# Altium PCB fastic-readout.PcbDoc (part 4 of 6) (continued)
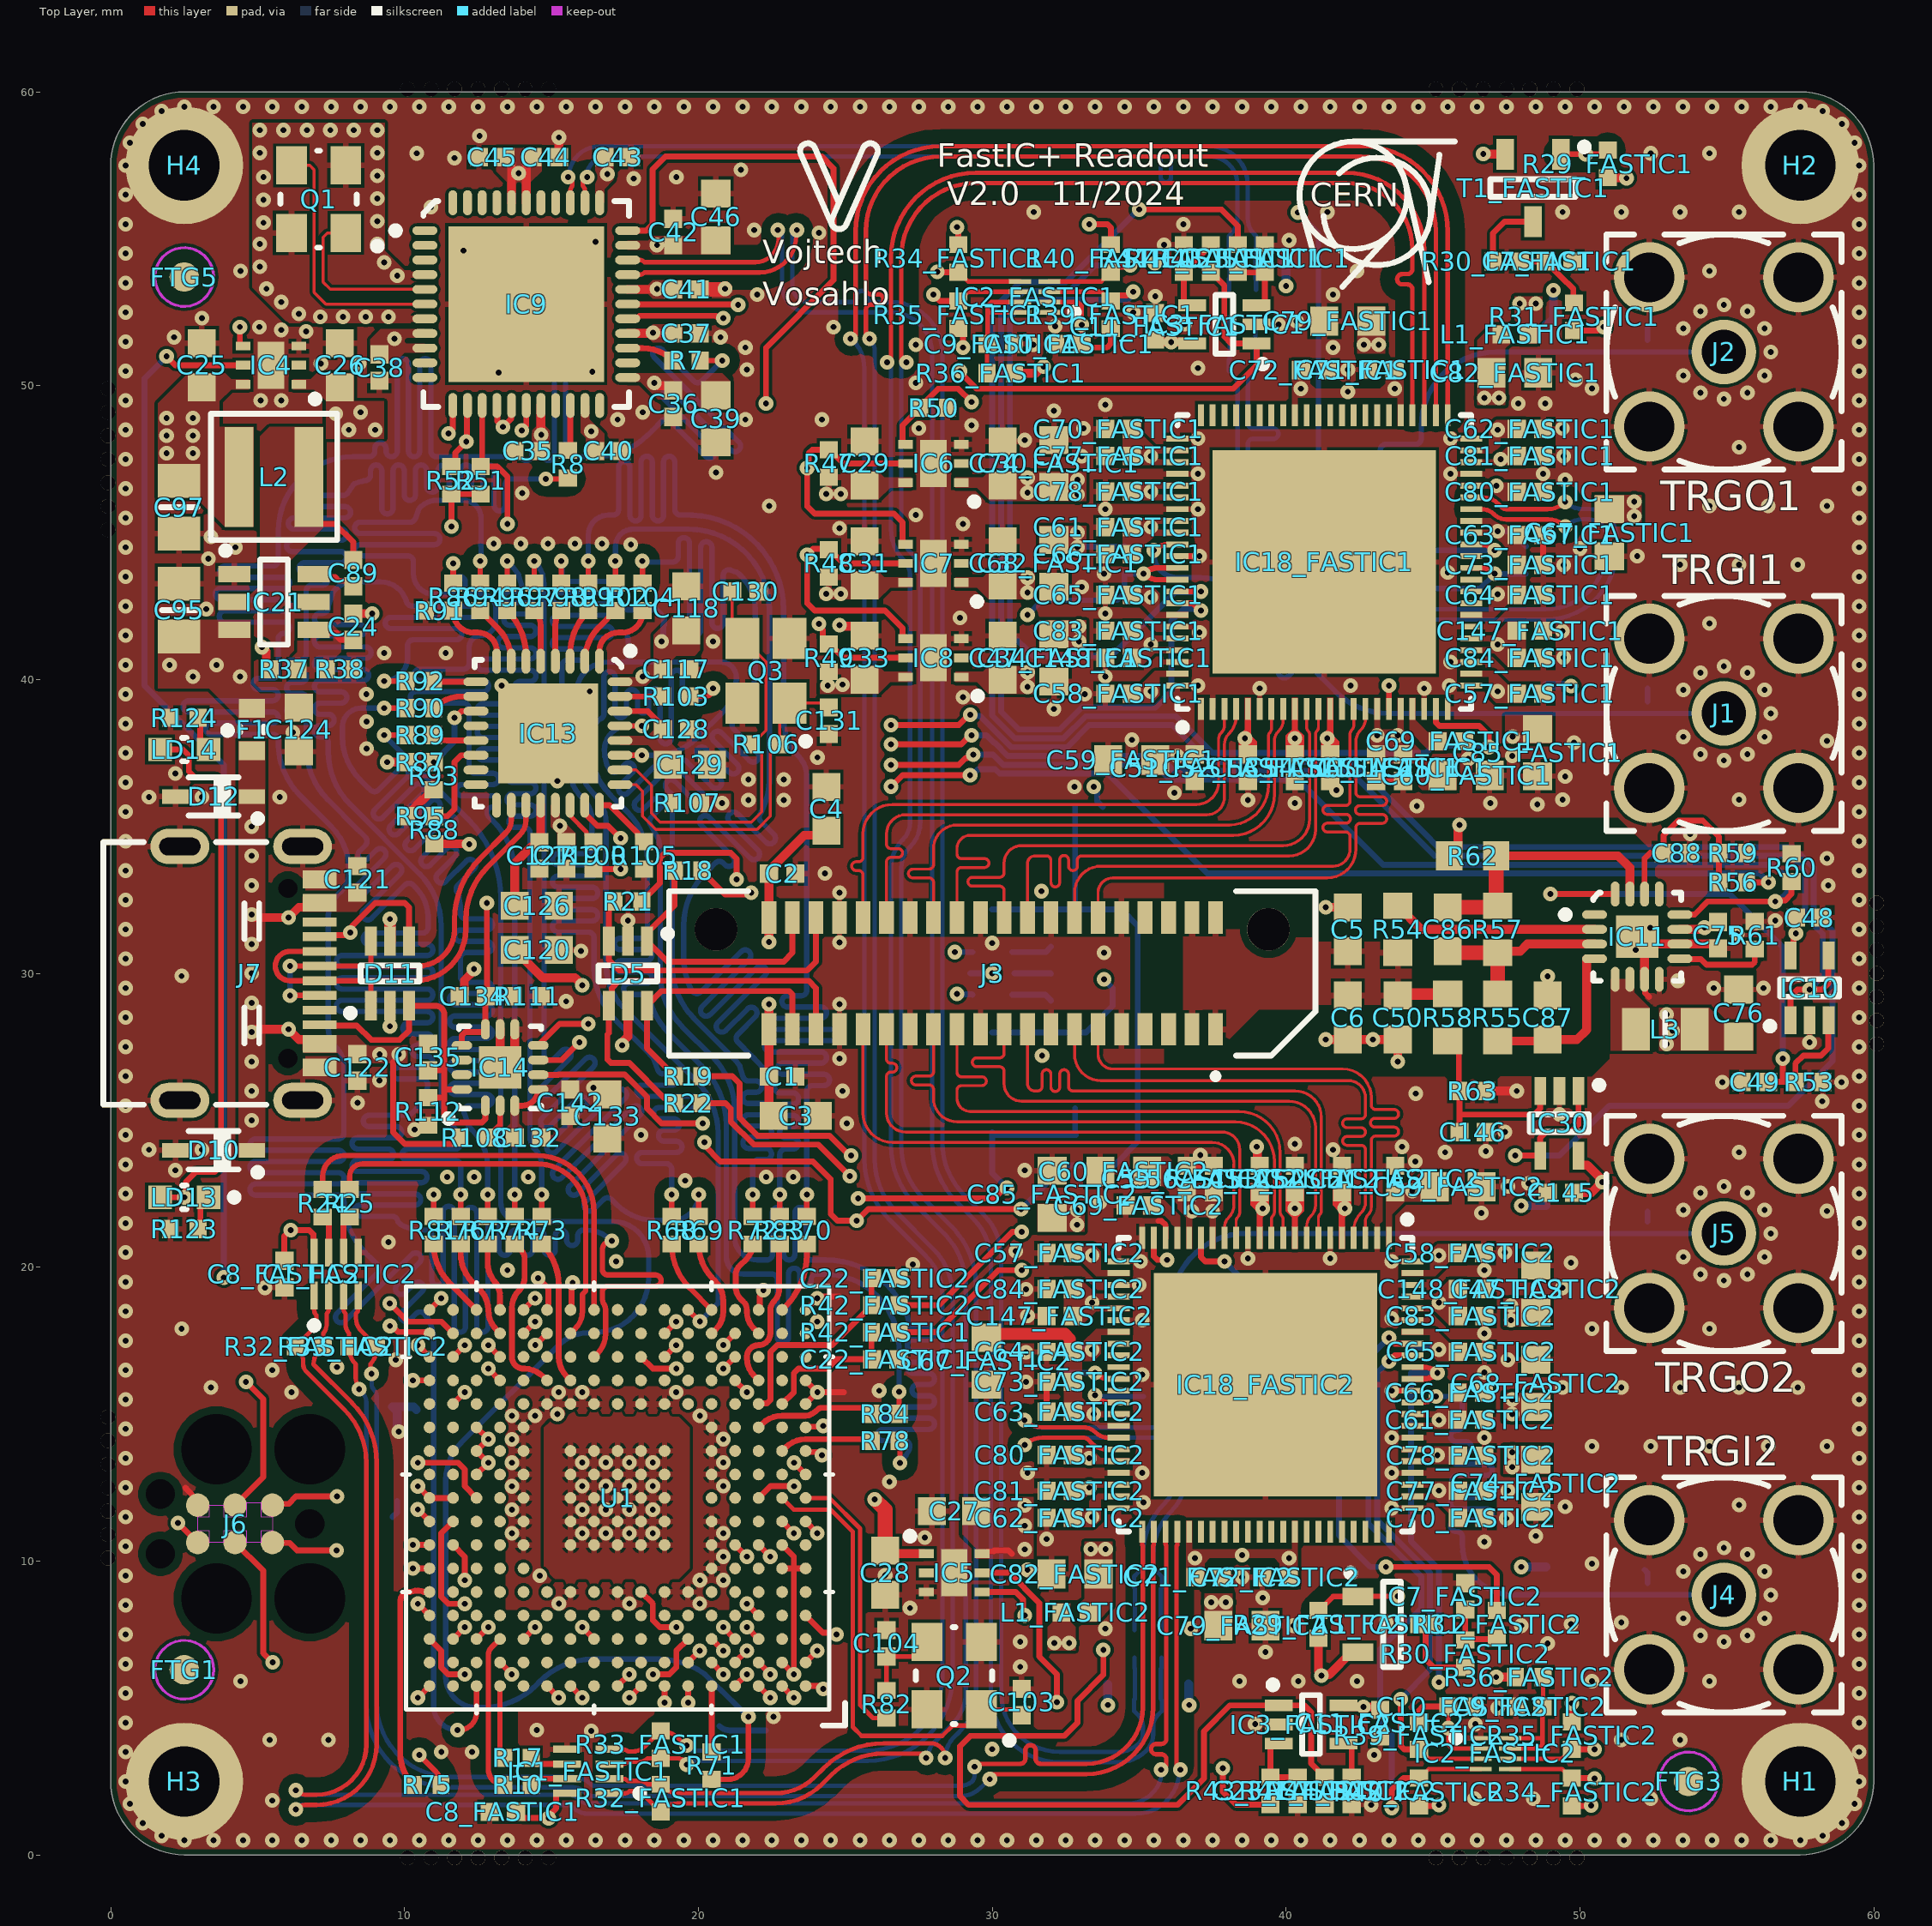
[diagram p0: Top Layer view]
## Nets (pads, with @x,y where several pads share a name; then routed paths per layer and width w, separated by ;. In a path a pad name is that pad's centre, name@x,y a point inside that pad or via, vN(x,y) a via of type N, cw(c..) or ccw(c..) an arc to the next point about the centre after c; other vN are vias at no path point) (continued)
NetR69_2: R69.2 U1.T5 | length 3.4
  Top Layer w0.2: R69.2@20.008,20.788 ccw(c21.687,20.788) 20.499,19.601 20.55,19.55 cw(c19.831,18.831) 20.848,18.831 20.848,18.504 cw(c19.989,18.504) 20.596,17.896 U1.T5@20.448,17.748
NetR70_1: R70.1 U1.U2 | length 2.5
  Top Layer w0.2: U1.U2@22.848,18.548 22.944,18.644 ccw(c21.148,20.44) 23.688,20.44 R70.1@23.688,20.788
NetR71_2: R71.2 U1.A5 | length 2.2
  Top Layer w0.2: R71.2@20.448,3.508 U1.A5@20.448,5.748
NetR72_1: R72.1 U1.T3 | length 3.5
  Top Layer w0.2: R72.1@21.848,20.788 cw(c21.147,20.788) 21.642,20.292 21.4,20.05 ccw(c21.725,19.725) 21.265,19.725 21.265,19.349 ccw(c21.902,19.349) 21.451,18.899 21.47,18.88 cw(c21.248,18.548) 21.648,18.548 21.648,18.495 ccw(c22.487,18.495) 21.893,17.902 U1.T3@22.048,17.748 ; U1.T3@22.048,17.764 U1.T3@22.058,17.764
NetR73_2: R73.2 U1.P11 | length 4.9
  Top Layer w0.2: R73.2@14.668,20.788 cw(c13.267,19.388) 15.248,19.388 15.248,16.948 ccw(c16.213,16.948) U1.P11@15.53,16.266 ; U1.P11@15.53,16.265 U1.P11@15.648,16.148
NetR74_2: R74.2 U1.P12 | length 5.6
  Top Layer w0.2: R74.2@13.748,20.788 13.988,20.548 cw(c13.758,20.317) 14.084,20.317 14.084,19.656 cw(c13.47,19.656) 13.904,19.222 ccw(c14.523,18.603) 13.648,18.603 13.648,16.95 ccw(c14.048,16.948) 14.05,16.548 ccw(c14.048,16.948) 14.074,16.549 cw(c14.086,16.349) 14.094,16.549 cw(c14.05,15.595) 14.725,16.27 U1.P12@14.848,16.148
NetR75_1: R75.1 U1.E17 | length 7.6
  Top Layer w0.2: R75.1@10.296,2.383 cw(c11.374,3.461) 9.85,3.461 9.85,8.624 cw(c10.174,8.624) 10.174,8.948 10.358,8.986 cw(c10.45,8.546) 10.62,8.963 ccw(c10.694,9.148) 10.694,8.948 U1.E17@10.848,8.948
NetR76_2: R76.2 U1.T14 | length 3.5
  Top Layer w0.2: R76.2@11.908,20.788 11.908,20.471 ccw(c13.315,20.471) 12.319,19.477 ; 12.32,19.476 12.565,19.231 cw(c11.882,18.548) 12.848,18.548 ccw(c13.813,18.548) 12.848,18.546 ccw(c13.813,18.548) 13.13,17.865 U1.T14@13.248,17.748
NetR77_2: R77.2 U1.U14 | length 2.3
  Top Layer w0.2: R77.2@12.828,20.788 12.828,20.142 ccw(c13.796,20.142) 12.99,19.606 ccw(c13.796,20.142) 13.111,19.458 cw(c12.398,18.996) 13.248,18.996 U1.U14@13.248,18.548
NetR78_1: R78.1 U1.L2 | length 3.2
  Top Layer w0.2: U1.L2@22.848,13.748 22.961,13.862 cw(c23.653,13.17) 23.641,14.148 cw(c23.648,13.748) 23.647,14.148 23.653,14.148 25.827,14.148 R78.1@25.887,14.088
NetR81_1: R81.1 U1.U15 | length 2.8
  Top Layer w0.2: R81.1@10.988,20.788 ccw(c12.872,20.788) 11.539,19.457 ; 11.54,19.456 U1.U15@12.448,18.548
NetR82_2: R82.2 U1.J1 | length 9.4
  Top Layer w0.15: U1.J1@23.648,12.148 24.456,12.148 25.5,11.104 25.5,5.1 25.94,4.66 R82.2@26.4,4.66
NetR83_1: R83.1 U1.P3 | length 5.5
  Top Layer w0.2: 21.838,17.288 cw(c22.048,16.948) 22.048,17.348 ; U1.P3@22.048,16.148 21.901,16.295 cw(c22.506,16.9) 21.65,16.9 21.65,16.905 ccw(c21.45,16.895) 21.649,16.912 cw(c22.048,16.948) 22.048,17.348 ; 22.564,18.83 ccw(c22.848,18.548) 22.448,18.548 22.448,17.748 cw(c22.048,17.748) 22.188,17.373 cw(c22.048,17.748) 22.048,17.348 ; 22.565,18.831 ccw(c22.123,19.272) 22.748,19.272 R83.1@22.748,20.788
NetR84_1: R84.1 U1.M3 | length 4.1
  Top Layer w0.2: U1.M3@22.048,14.548 22.168,14.668 cw(c22.844,13.992) 22.844,14.948 23.648,14.948 ccw(c23.648,15.348) 23.865,15.012 23.937,15.058 ccw(c23.562,15.638) 24.05,15.15 cw(c24.211,14.989) 24.211,15.217 25.697,15.217 25.887,15.027 R84.1@25.887,15.008
NetU1_A10: U1.A10
NetU1_A13: U1.A13
NetU1_A16: U1.A16
NetU1_B7: U1.B7
NetU1_B8: U1.B8
NetU1_B9: U1.B9
NetU1_B10: U1.B10
NetU1_B11: U1.B11
NetU1_B12: U1.B12
NetU1_B13: U1.B13
NetU1_B15: U1.B15
NetU1_B16: U1.B16
NetU1_B17: U1.B17
NetU1_C1: U1.C1
NetU1_C2: U1.C2
NetU1_C7: U1.C7
NetU1_C8: U1.C8
NetU1_C9: U1.C9
NetU1_C11: U1.C11
NetU1_C12: U1.C12
NetU1_D1: U1.D1 | length 1.3
  Top Layer w0.2: U1.D1@23.648,8.148 24.238,7.557 24.643,7.557 v1(24.7,7.5)
NetU1_D2: U1.D2
NetU1_D4: U1.D4
NetU1_D5: U1.D5
NetU1_D6: U1.D6
NetU1_D7: U1.D7
NetU1_D8: U1.D8
NetU1_D9: U1.D9
NetU1_D10: U1.D10
NetU1_D11: U1.D11
NetU1_D12: U1.D12
NetU1_D13: U1.D13
NetU1_D14: U1.D14
NetU1_D15: U1.D15
NetU1_D16: U1.D16
NetU1_E1: U1.E1
NetU1_E2: U1.E2
NetU1_E3: U1.E3
NetU1_E4: U1.E4
NetU1_E5: U1.E5
NetU1_E10: U1.E10
NetU1_E12: U1.E12
NetU1_E13: U1.E13
NetU1_E14: U1.E14
NetU1_E15: U1.E15
NetU1_E16: U1.E16
NetU1_F3: U1.F3
NetU1_F4: U1.F4
NetU1_F13: U1.F13
NetU1_F14: U1.F14
NetU1_F15: U1.F15
NetU1_F16: U1.F16
NetU1_G1: U1.G1
NetU1_G14: U1.G14
NetU1_G15: U1.G15
NetU1_H3: U1.H3
NetU1_H4: U1.H4
NetU1_H14: U1.H14
NetU1_H15: U1.H15
NetU1_J4: U1.J4
NetU1_J5: U1.J5
NetU1_J14: U1.J14
NetU1_K2: U1.K2
NetU1_K3: U1.K3
NetU1_K4: U1.K4
NetU1_K14: U1.K14
NetU1_K16: U1.K16
NetU1_K17: U1.K17
NetU1_L3: U1.L3
NetU1_L4: U1.L4
NetU1_L14: U1.L14
NetU1_L16: U1.L16
NetU1_L17: U1.L17
NetU1_M2: U1.M2
NetU1_M4: U1.M4
NetU1_M14: U1.M14
NetU1_M16: U1.M16
NetU1_M17: U1.M17
NetU1_N4: U1.N4
NetU1_N5: U1.N5
NetU1_N6: U1.N6
NetU1_N9: U1.N9
NetU1_N13: U1.N13
NetU1_N14: U1.N14
NetU1_N15: U1.N15
NetU1_N17: U1.N17
NetU1_P2: U1.P2
NetU1_P5: U1.P5
NetU1_P6: U1.P6
NetU1_P7: U1.P7
NetU1_P8: U1.P8
NetU1_P9: U1.P9
NetU1_P10: U1.P10
NetU1_P13: U1.P13
NetU1_P15: U1.P15
NetU1_P16: U1.P16
NetU1_R1: U1.R1
NetU1_R2: U1.R2
NetU1_R3: U1.R3
NetU1_R5: U1.R5
NetU1_R6: U1.R6
NetU1_R9: U1.R9
NetU1_R11: U1.R11
NetU1_R12: U1.R12
NetU1_R13: U1.R13
NetU1_R15: U1.R15
NetU1_T1: U1.T1
NetU1_T2: U1.T2
NetU1_T6: U1.T6
NetU1_T8: U1.T8
NetU1_T9: U1.T9
NetU1_T10: U1.T10
NetU1_T15: U1.T15
NetU1_U4: U1.U4
NetU1_U7: U1.U7
NetU1_U8: U1.U8
NetU1_U9: U1.U9
NetU1_U16: U1.U16
PD4: IC18_FASTIC2.78 IC18_FASTIC2.79 R28_FASTIC2.1 U1.A12 | length 50.4
  Top Layer w0.182: IC18_FASTIC2.79@44.3,16.6 44.667,16.6 cw(c44.667,15.917) v1(45.15,16.4)
  Top Layer w0.2: U1.A12@14.848,5.748 v1(15.246,5.35) ; IC18_FASTIC2.78@44.3,16.2 44.667,16.2 ccw(c44.667,16.883) v1(45.15,16.4)
  L05 - Signal w0.2: v1(15.246,5.35) 15.246,3.073 16.121,2.198 25.373,2.198 27.475,4.3 30.049,4.3 32.049,2.3 39.3,2.3 41.24,4.24 44.358,4.24 45.2,5.082 v1(45.2,5.877)
  Bottom Layer w0.2: v1(45.15,16.4) R28_FASTIC2.1@44.25,16.4 44.25,10.674 45.2,9.724 v1(45.2,5.877)
PD5: IC18_FASTIC2.33 R27_FASTIC2.1 U1.A11 | length 38.2
  Top Layer w0.182: v1(33.5,16.4) ccw(c33.983,16.883) 33.983,16.2 IC18_FASTIC2.33@34.3,16.2
  Top Layer w0.2: U1.A11@15.648,5.748 v1(16.046,5.35)
  L05 - Signal w0.2: v1(16.046,5.35) 15.596,4.9 15.596,3.218 16.265,2.548 25.228,2.548 27.33,4.65 31.288,4.65 32.038,3.9 34.1,3.9 34.74,4.54 34.74,10.411 34.2,10.951 34.2,15.7 v1(33.5,16.4)
  Bottom Layer w0.2: R27_FASTIC2.1@32.3,16.4 v1(33.5,16.4)
PE1: IC9.17 U1.B4 | length 69.3
  Top Layer w0.2: v1(13.99,48.48) 14.14,48.63 IC9.17@14.14,49.33 ; U1.B4@21.248,6.548 v1(21.646,6.946)
  L05 - Signal w0.2: v1(13.99,48.48) 13.99,51.09 16.755,53.855 22.245,53.855 23.2,52.9 23.2,52.13 28,47.33 28,39.198 28.3,38.898 28.3,32.975 27.877,32.552 27.877,29.021 28.55,28.348 28.55,17.422 29.15,16.822 29.15,10.04 28.058,8.948 26.998,8.948 26.45,8.4 23.1,8.4 v1(21.646,6.946)
PH11: IC18_FASTIC1.78 IC18_FASTIC1.79 R28_FASTIC1.1 U1.P14 | length 84.5
  Top Layer w0.182: v1(35.15,43.6) ccw(c35.633,44.083) 35.633,43.4 IC18_FASTIC1.79@36.3,43.4
  Top Layer w0.2: v1(12.85,16.546) U1.P14@13.248,16.148 ; v1(35.15,43.6) cw(c35.633,43.117) 35.633,43.8 IC18_FASTIC1.78@36.3,43.8
  L05 - Signal w0.2: v1(12.85,16.546) 13.4,17.096 13.4,17.625 12.925,18.1 12.925,20.956 13.505,21.537 14.931,21.537 15.654,22.26 15.654,22.891 11.9,26.645 11.9,28.878 13.65,30.628 13.65,35.643 12.8,36.493 12.8,41.1 10.2,43.7 10.2,50.305 16.045,56.15 21.053,56.15 21.403,56.5 29.294,56.5 30.5,55.294 30.5,42.9 v1(31.2,42.2)
  Bottom Layer w0.182: v1(31.2,42.2) 31.7,42.7 34.25,42.7 34.5,42.95 R28_FASTIC1.1@34.5,43.6 v1(35.15,43.6)
PH12: IC18_FASTIC1.33 R27_FASTIC1.1 U1.R14 | length 93.4
  Top Layer w0.182: IC18_FASTIC1.33@46.3,43.8 46.617,43.8 cw(c46.617,43.117) v1(47.1,43.6)
  Top Layer w0.2: v1(12.85,17.346) U1.R14@13.248,16.948
  L05 - Signal w0.2: v1(12.85,17.346) 12.575,17.621 12.575,21.101 13.36,21.887 14.782,21.887 14.877,21.981 14.88,21.981 15.304,22.405 15.304,22.746 11.55,26.5 11.55,30.11 13.3,31.86 13.3,35.498 12.45,36.348 12.45,40.955 9.85,43.555 9.85,50.45 15.9,56.5 20.908,56.5 21.258,56.85 39.45,56.85 v1(40.4,55.9)
  Bottom Layer w0.182: v1(40.4,55.9) 41.1,55.2 41.1,44.5 42.5,43.1 46.6,43.1 v1(47.1,43.6) R27_FASTIC1.1@48.16,43.6
PI4: IC9.12 U1.A4 | length 74.8
  Top Layer w0.2: v1(11.49,48.38) 11.64,48.53 IC9.12@11.64,49.33 ; U1.A4@21.248,5.748 v1(21.646,6.146)
  L05 - Signal w0.2: v1(11.49,48.38) 11.49,49.654 16.041,54.205 25.645,54.205 28.034,51.816 28.034,48.122 28.35,47.806 28.35,39.343 28.65,39.043 28.65,32.831 28.227,32.407 28.227,29.166 28.9,28.493 28.9,17.567 29.5,16.967 29.5,9.895 27.355,7.75 25.188,7.75 24.888,8.05 23.55,8.05 v1(21.646,6.146)
RSTn: C92.1 J6.3 PB1.2 R79.1 U1.K1 | length 72.1
  Top Layer w0.2: J6.3@4.23,11.9 5.184,12.854 5.184,15.516 v1(4.6,16.1) ; v1(20.2,24.25) 20.2,24.15 20.75,23.6 23.9,23.6 24.5,23 24.5,21.821 24.732,21.589 v1(25.389,21.589) 25.783,21.983 v1(30.983,21.983) ; v1(23.25,13.346) U1.K1@23.648,12.948
  L04- Signal w0.2: v1(4.6,16.1) 4.6,21.85 6.55,23.8 19.75,23.8 v1(20.2,24.25)
  L05 - Signal w0.2: v1(23.25,13.346) 23.696,12.9 24.635,12.9 24.926,13.19 24.926,21.126 v1(25.389,21.589)
  Bottom Layer w0.2: PB1.2@29.989,32.176 32.8,32.176 ; v1(30.983,21.983) 32.462,23.462 34.15,23.462 34.95,24.262 34.95,31.625 34.399,32.176 32.8,32.176 ; R79.1@32.82,35.666 32.82,32.196 32.8,32.176
SLVS2_N: IC18_FASTIC2.39 R4.2 R5.2 R128.2 | length 15.2
  Top Layer w0.15: v1(31.1,13.95) cw(c31.704,13.346) 31.704,14.2 33.1,14.2 cw(c33.1,13.959) 33.271,14.129 33.4,14 ; 33.4,14 ccw(c33.883,14.483) 33.883,13.8 IC18_FASTIC2.39@34.3,13.8
  Bottom Layer w0.15: v1(31.1,13.95) cw(c31.692,13.358) 31.692,14.195 35.505,14.195 cw(c35.505,13.45) 36.25,13.45 36.25,12.916 cw(c34.884,12.916) 35.85,11.95 ccw(c37.6,10.2) 35.125,10.2 35.125,10.001 cw(c34.57,10.001) 34.963,9.609 R128.2@34.83,9.476 34.83,9.134 ccw(c34.932,9.134) 34.86,9.061 R5.2@34.86,8.556 34.86,8.069 cw(c34.792,8.069) 34.84,8.021 R4.2@34.84,7.656
SLVS2_P: IC18_FASTIC2.38 R3.2 R6.2 R128.1 | length 15.8
  Top Layer w0.15: v1(31.097,14.79) ccw(c31.678,15.371) 31.678,14.55 33.1,14.55 cw(c33.1,13.959) 33.518,14.377 ccw(c33.945,14.804) 33.519,14.376 ccw(c33.945,14.804) 33.945,14.2 IC18_FASTIC2.38@34.3,14.2
  Bottom Layer w0.15: v1(31.097,14.79) ccw(c31.689,15.382) 31.689,14.545 35.505,14.545 cw(c35.505,13.45) 36.6,13.45 36.6,12.916 cw(c34.884,12.916) 36.097,11.703 ccw(c37.6,10.2) 35.475,10.2 35.475,10.001 ccw(c36.03,10.001) 35.638,9.609 R128.1@35.77,9.476 35.77,9.134 cw(c35.668,9.134) 35.74,9.061 R6.2@35.74,8.556 35.74,8.069 ccw(c35.808,8.069) 35.76,8.021 R3.2@35.76,7.656
SLVS3_N: IC18_FASTIC1.39 R14.2 R15.2 R101.2 | length 29.6
  Top Layer w0.15: IC18_FASTIC1.39@46.3,46.2 46.717,46.2 cw(c46.717,45.517) 47.2,46 ; 47.2,46 47.329,45.871 ccw(c47.5,46.041) 47.5,45.8 48.896,45.8 ccw(c48.896,46.654) v1(49.5,46.05)
  Bottom Layer w0.15: R14.2@38.059,52.33 38.059,51.965 cw(c38.059,51.945) 38.079,51.945 R15.2@38.079,51.43 38.079,50.895 ccw(c38.079,50.865) 38.049,50.865 R101.2@38.049,50.51 38.202,50.358 cw(c37.844,50) 38.35,50 38.35,44.89 ccw(c38.7,44.89) 38.35,44.889 ccw(c38.7,44.89) 38.35,44.879 ccw(c41.267,44.961) 39.102,43.004 ccw(c39.231,43.122) 39.103,43.003 ccw(c39.472,43.341) 39.11,42.996 39.192,42.91 39.193,42.909 cw(c39.082,42.808) 39.194,42.907 39.198,42.904 ccw(c41.19,44.78) 41.19,42.043 41.195,42.043 cw(c41.206,41.894) 41.207,42.044 41.262,42.043 ccw(c41.268,42.543) 41.268,42.043 48.836,42.043 ccw(c48.834,44.466) 50.547,42.753 ccw(c48.851,44.449) 51.25,44.449 51.25,44.855 ccw(c50.3,44.855) 50.3,45.805 50.092,45.805 cw(c50.092,46.642) v1(49.5,46.05)
SLVS3_P: IC18_FASTIC1.38 R13.2 R16.2 R101.1 | length 29.7
  Top Layer w0.15: IC18_FASTIC1.38@46.3,45.8 46.655,45.8 cw(c46.655,45.196) 47.081,45.624 cw(c46.655,45.196) 47.082,45.623 ccw(c47.5,46.041) 47.5,45.45 48.922,45.45 cw(c48.922,44.629) v1(49.503,45.21)
  Bottom Layer w0.15: R101.1@38.856,50.376 ccw(c39.232,50) 38.7,50 38.7,49.117 38.7,48.717 ccw(c38.875,48.717) 38.875,48.542 39.563,48.542 cw(c39.563,48.367) 39.738,48.367 cw(c39.563,48.367) 39.563,48.192 38.875,48.192 ccw(c38.875,48.017) 38.7,48.017 38.7,47.592 38.7,44.89 ccw(c41.267,44.961) 39.361,43.24 ccw(c39.472,43.341) 39.363,43.238 39.445,43.151 39.453,43.144 ccw(c41.267,44.961) 41.199,42.394 41.212,42.394 41.266,42.393 ccw(c41.268,42.543) 41.268,42.393 48.835,42.393 ; R101.1@38.856,50.376 R101.1@38.989,50.51 38.989,50.865 ccw(c38.959,50.865) 38.959,50.895 R16.2@38.959,51.43 38.959,51.945 cw(c38.979,51.945) 38.979,51.965 R13.2@38.979,52.33 ; 48.836,42.393 ccw(c48.834,44.466) 50.3,43 ccw(c48.851,44.449) 50.9,44.449 50.9,44.855 ccw(c50.3,44.855) 50.3,45.455 50.094,45.455 ccw(c50.094,44.618) v1(49.503,45.21)
SWCLK: J6.4 U1.B14 | length 14.6
  Top Layer w0.2: J6.4@4.23,10.63 5.187,9.673 5.187,6.868 v1(5.505,6.55) ; U1.B14@13.248,6.548 v1(13.646,6.15)
  L04- Signal w0.2: v1(5.505,6.55) 7.281,4.774 12.27,4.774 v1(13.646,6.15)
SWDIO: J6.2 U1.C15 | length 10.7
  Top Layer w0.2: J6.2@5.5,10.63 5.51,10.62 6.08,10.62 6.335,10.365 v1(7.688,10.365) ; U1.C15@12.448,7.348 v1(12.846,7.746)
  L04- Signal w0.2: v1(7.688,10.365) 7.745,10.307 8.176,10.307 8.5,9.983 8.5,8.1 9.5,7.1 12.2,7.1 v1(12.846,7.746)
SWO: J6.6 U1.C6 | length 24.9
  Top Layer w0.2: v1(2.29,11.3) J6.6@2.96,10.63 ; v1@18.448,6.148 19.013,6.148 19.248,6.382 19.248,6.948 U1.C6@19.648,7.348
  L04- Signal w0.2: v1(2.29,11.3) 2.941,10.649 2.941,10.28 1.8,9.139 1.8,7.6 2.5,6.9 4.3,6.9 4.6,7.2 5.9,7.2 6.352,6.748 17.848,6.748 v1(18.45,6.146)
TDC_FASTIC1_N: IC1_FASTIC1.1 IC18_FASTIC1.47 R32_FASTIC1.2 | length 91.3
  Top Layer w0.15: IC1_FASTIC1.1@17.103,2.093 17.472,2.093 ccw(c17.472,2.349) 17.653,2.168 17.753,2.168 cw(c17.753,1.552) 18.188,1.988 R32_FASTIC1.2@18.713,1.463 18.797,1.547 cw(c19.284,1.061) 19.284,1.749 22.628,1.749 ccw(c22.628,3.972) 24.2,2.4 24.506,2.706 cw(c26.302,0.91) 26.302,3.45 27.65,3.45 cw(c27.65,3.3) v1@27.8,3.3 ; v1@26.55,50.826 26.55,54.36 cw(c29.44,54.36) 29.44,57.25 42.05,57.25 cw(c42.05,54.6) 44.7,54.6 IC18_FASTIC1.47@44.7,49
  Bottom Layer w0.15: v1(26.425,50.8) cw(c26.425,50.675) 26.55,50.675 26.55,45.132 ccw(c28.086,45.132) 27,44.045 cw(c26.517,43.562) 27.2,43.562 27.2,35.145 cw(c26.355,35.145) 26.953,34.547 ccw(c27.924,33.576) 26.55,33.576 26.55,24.152 ccw(c29.44,24.152) 27.396,22.109 28.356,21.149 cw(c26.56,19.353) 29.1,19.353 29.1,5.552 cw(c27.526,5.552) 28.639,4.439 28.012,3.812 ccw(c28.524,3.3) v1@27.8,3.301
  other v1: 27.75,3.3
TDC_FASTIC1_P: IC1_FASTIC1.2 IC18_FASTIC1.48 R32_FASTIC1.1 | length 91.3
  Top Layer w0.15: IC1_FASTIC1.2@17.103,2.593 17.422,2.593 cw(c17.422,2.337) 17.603,2.518 17.99,2.518 cw(c17.99,2.125) 18.268,2.403 R32_FASTIC1.1@18.713,2.403 18.828,2.288 ccw(c19.284,2.745) 19.284,2.099 22.628,2.099 ccw(c22.628,3.972) 23.953,2.647 24.259,2.954 cw(c26.302,0.91) 26.302,3.8 27.9,3.8 cw(c27.9,3.3) v1(28.4,3.3) ; v1@26.9,50.826 26.9,54.36 cw(c29.44,54.36) 29.44,56.9 42.05,56.9 cw(c42.05,54.65) 44.3,54.65 44.3,54.4 44.3,53.975 cw(c44.125,53.975) 44.125,53.8 43.954,53.8 ccw(c43.954,53.625) 43.779,53.625 ccw(c43.954,53.625) 43.954,53.45 44.125,53.45 cw(c44.125,53.275) 44.3,53.275 44.3,52.949 IC18_FASTIC1.48@44.3,49
  Bottom Layer w0.15: v1@27.025,50.8 ccw(c27.025,50.675) 26.9,50.675 26.9,45.132 ccw(c28.086,45.132) 27.247,44.293 cw(c26.517,43.562) 27.55,43.562 27.55,35.145 cw(c26.355,35.145) 27.2,34.3 ccw(c27.924,33.576) 26.9,33.576 26.9,24.152 ccw(c29.44,24.152) 27.644,22.356 28.604,21.396 cw(c26.56,19.353) 29.45,19.353 29.45,5.552 cw(c27.526,5.552) 28.886,4.191 28.686,3.991 ccw(c29.378,3.3) 28.4,3.305 ccw(c29.378,3.3) v1(28.4,3.3)
  other v1: 27.075,50.8
TDC_FASTIC2_N: IC1_FASTIC2.1 IC18_FASTIC2.47 R32_FASTIC2.2 | length 58.7
  Top Layer w0.15: v1@6.3,2.175 ccw(c6.602,2.477) 6.602,2.05 7,2.05 ccw(c7,3.748) 8.698,3.748 8.698,13.35 ccw(c6.158,13.35) 7.954,15.146 6.656,16.444 cw(c6.912,16.7) 6.55,16.7 6.55,16.783 ccw(c5.914,16.783) 6.364,17.233 R32_FASTIC2.2@6.289,17.308 6.813,17.833 ccw(c6.378,18.268) 6.994,18.268 6.994,18.368 cw(c7.175,18.549) 6.919,18.549 IC1_FASTIC2.1@6.919,18.918 ; IC18_FASTIC2.47@35.9,11 35.9,10.585 ccw(c35.985,10.585) 35.925,10.525 35.925,4.469 35.925,3.95 cw(c35.75,3.95) 35.75,3.775 35.58,3.775 ccw(c35.58,3.6) 35.405,3.6 ccw(c35.58,3.6) 35.58,3.425 35.75,3.425 cw(c35.75,3.25) 35.925,3.25 35.925,3.175 v1@35.925,3.026
  Bottom Layer w0.15: v1@6.3,2.175 6.372,2.103 ccw(c6.5,2.231) 6.5,2.05 15.519,2.05 cw(c15.519,1.373) 15.997,1.852 ccw(c16.243,2.097) 16.243,1.75 34.625,1.75 ccw(c34.625,2.9) 35.4,2.05 ccw(c34.625,2.9) v1@35.775,2.9
  other v1: 6.3,2.2 35.75,2.9
TDC_FASTIC2_P: IC1_FASTIC2.2 IC18_FASTIC2.48 R32_FASTIC2.1 | length 59.1
  Top Layer w0.15: v1@6.3,1.575 cw(c6.602,1.273) 6.602,1.7 7,1.7 ccw(c7,3.748) 9.048,3.748 9.048,13.35 ccw(c6.158,13.35) 8.201,15.394 6.9,16.695 6.9,16.7 cw(c7.574,16.7) 7.097,17.176 R32_FASTIC2.1@7.229,17.308 7.229,17.753 ccw(c6.951,18.03) 7.344,18.03 7.344,18.418 ccw(c7.163,18.599) 7.419,18.599 IC1_FASTIC2.2@7.419,18.918 ; v1@36.275,3.026 36.275,10.525 ccw(c36.215,10.585) 36.3,10.585 IC18_FASTIC2.48@36.3,11
  Bottom Layer w0.15: v1@6.3,1.575 6.372,1.647 cw(c6.5,1.519) 6.5,1.7 15.519,1.7 cw(c15.519,1.373) 15.75,1.604 ccw(c16.243,2.097) 16.243,1.4 34.875,1.4 ccw(c34.875,2.9) 35.776,1.701 ccw(c34.875,2.9) 36.25,2.301 ccw(c34.875,2.9) v1@36.375,2.9
  other v1: 6.3,1.55 36.4,2.9
TIME_FASTIC1_N: IC1_FASTIC1.4 IC18_FASTIC1.45 R33_FASTIC1.2 | length 93.3
  Top Layer w0.15: IC1_FASTIC1.4@17.103,3.593 17.422,3.593 cw(c17.422,3.337) 17.603,3.518 17.753,3.518 ccw(c17.753,4.134) 18.188,3.698 R33_FASTIC1.2@18.713,4.223 cw(c18.713,3.404) 19.292,3.983 v1@19.6,3.675 ; v1@25.225,51.6 ccw(c25.225,51.725) 25.35,51.725 25.35,55.26 cw(c28.24,55.26) 28.24,58.15 42.61,58.15 cw(c42.61,55.26) 45.5,55.26 IC18_FASTIC1.45@45.5,49
  Bottom Layer w0.15: v1@19.6,3.675 ccw(c19.902,3.977) 19.902,3.55 25.76,3.55 ccw(c25.76,6.09) 28.3,6.09 28.3,19.048 ccw(c26.431,19.048) 27.753,20.369 26.496,21.625 cw(c28.54,23.669) 25.65,23.669 25.65,50.574 ccw(c24.199,50.574) 25.225,51.6 cw(c25.225,51.475) v1@25.35,51.475
  other v1: 19.6,3.725 25.175,51.6
TIME_FASTIC1_P: IC1_FASTIC1.3 IC18_FASTIC1.46 R33_FASTIC1.1 | length 93.2
  Top Layer w0.15: IC1_FASTIC1.3@17.103,3.093 17.422,3.093 ccw(c17.422,3.349) 17.603,3.168 17.99,3.168 ccw(c17.99,3.561) 18.268,3.283 R33_FASTIC1.1@18.713,3.283 19.269,3.283 cw(c19.269,2.744) v1@19.65,3.125 ; v1(25.825,51.6) cw(c25.825,51.725) 25.7,51.725 25.7,52.162 25.7,52.587 cw(c25.875,52.587) 25.875,52.762 26.125,52.762 ccw(c26.125,52.937) 26.3,52.937 ccw(c26.125,52.937) 26.125,53.112 25.875,53.112 cw(c25.875,53.287) 25.7,53.287 25.7,53.669 25.7,55.26 cw(c28.24,55.26) 28.24,57.8 42.56,57.8 cw(c42.56,55.26) 45.1,55.26 IC18_FASTIC1.46@45.1,49
  Bottom Layer w0.15: v1(19.6,3.075) cw(c19.902,2.773) 19.902,3.2 25.76,3.2 ccw(c25.76,6.09) 28.65,6.09 28.65,19.048 ccw(c26.431,19.048) 28,20.617 26.744,21.873 cw(c28.54,23.669) 26.742,21.874 cw(c28.54,23.669) 26,23.669 26,51.178 ccw(c25.402,51.178) v1(25.825,51.6) ccw(c25.825,51.475) v1@25.7,51.475
TIME_FASTIC2_N: IC1_FASTIC2.4 IC18_FASTIC2.45 R33_FASTIC2.2 | length 50.4
  Top Layer w0.15: IC1_FASTIC2.4@8.419,18.918 8.419,18.599 cw(c8.163,18.599) 8.344,18.418 8.344,18.268 ccw(c8.959,18.268) 8.524,17.833 R33_FASTIC2.2@9.049,17.308 9.049,17.224 cw(c8.321,17.224) 8.836,16.71 8.836,16.468 ccw(c8.968,16.468) v1(8.874,16.374) ; v1(29.4,3) 29.5,3.1 30.876,3.1 30.951,3.1 ccw(c30.951,3.275) 31.126,3.275 31.126,3.559 cw(c31.301,3.559) 31.301,3.734 cw(c31.301,3.559) 31.476,3.559 31.476,3.275 ccw(c31.651,3.275) 31.651,3.1 32.1,3.1 33.2,3.1 ccw(c33.2,5.025) 35.125,5.025 35.125,10.525 cw(c35.185,10.585) 35.1,10.585 IC18_FASTIC2.45@35.1,11
  Bottom Layer w0.15: v1(8.874,16.374) 8.88,16.368 8.88,16.017 ccw(c9.166,16.017) 8.964,15.816 cw(c8.762,15.614) 9.048,15.614 9.048,5.19 ccw(c11.588,5.19) 11.587,2.65 15.738,2.65 cw(c15.738,1.788) 16.347,2.397 cw(c16.1,2.15) 16.349,2.396 16.351,2.394 ccw(c16.457,2.5) 16.457,2.35 28.914,2.35 ccw(c28.912,2.983) 29.301,2.484 ccw(c29.208,2.601) 29.331,2.515 ccw(c29.015,2.735) 29.4,2.735 v1(29.4,3) v1@29.297,2.897
TIME_FASTIC2_P: IC1_FASTIC2.3 IC18_FASTIC2.46 R33_FASTIC2.1 | length 50.1
  Top Layer w0.15: IC1_FASTIC2.3@7.919,18.918 7.919,18.599 ccw(c8.175,18.599) 7.994,18.418 7.994,18.03 ccw(c8.386,18.03) 8.109,17.753 R33_FASTIC2.1@8.109,17.308 8.109,17.244 ccw(c8.883,17.244) 8.336,16.696 8.336,16.226 ccw(c8.726,16.226) v1@8.45,15.95 ; v1@29.824,2.576 29.999,2.75 33.2,2.75 ccw(c33.2,5.025) 35.475,5.025 35.475,10.525 ccw(c35.415,10.585) 35.5,10.585 IC18_FASTIC2.46@35.5,11
  Bottom Layer w0.15: v1(8.45,15.85) ccw(c8.487,15.85) 8.461,15.824 8.574,15.711 cw(c8.275,15.412) 8.698,15.412 8.698,5.119 ccw(c11.517,5.119) 11.516,2.3 15.738,2.3 cw(c15.738,1.788) 16.1,2.15 ccw(c16.347,2.397) 16.101,2.149 16.104,2.146 ccw(c16.457,2.5) 16.457,2 28.912,2 ccw(c28.912,2.983) 29.607,2.288 29.881,2.562 cw(c29.914,2.529) v1(29.914,2.576) ; v1@8.45,15.95 v1@8.5,15.9
ULPI_CLK: R72.2 R104.2 | length 56.2
  Top Layer w0.182: R104.2@18.094,43.286 v1(18.094,44.036) ; R72.2@21.848,21.728 v1(21.848,22.478)
  Bottom Layer w0.182: v1(18.094,44.036) ccw(c18.13,44.036) 18.13,44 19.031,44 19.122,44 ccw(c19.122,44.191) 19.313,44.191 19.313,44.637 cw(c19.504,44.637) 19.695,44.637 19.695,41.691 ccw(c19.886,41.691) 20.077,41.691 20.077,44.501 cw(c20.268,44.501) 20.459,44.501 20.459,41.932 ccw(c20.65,41.932) 20.841,41.932 20.841,43.545 cw(c21.032,43.545) 21.094,43.726 21.309,43.652 cw(c20.3,42.364) 21.4,43.575 cw(c20.3,42.364) 21.936,42.364 21.936,40.37 cw(c19.396,40.37) 21.617,39.138 cw(c19.396,40.37) 21.57,39.056 21.192,38.574 21.186,38.566 ccw(c21.337,38.449) 21.202,38.313 22.001,37.514 cw(c21.866,37.379) 22.001,37.244 cw(c21.866,37.379) 21.731,37.244 20.79,38.185 ccw(c20.655,38.05) 20.52,38.185 ccw(c20.655,38.05) 20.52,37.914 21.32,37.114 cw(c21.185,36.979) 21.32,36.844 cw(c21.185,36.979) 21.05,36.844 20.25,37.645 ccw(c20.114,37.51) 19.979,37.645 ccw(c20.114,37.51) 19.979,37.375 20.73,36.624 cw(c20.595,36.489) 20.73,36.354 cw(c20.595,36.489) 20.46,36.354 19.604,37.21 ccw(c19.469,37.075) 19.334,37.21 ccw(c19.469,37.075) 19.334,36.94 20.224,36.05 cw(c20.089,35.915) 20.224,35.78 cw(c20.089,35.915) 19.954,35.78 19.201,36.533 ccw(c19.066,36.397) 18.931,36.533 ccw(c19.066,36.397) 18.931,36.262 19.125,36.068 cw(c18.99,35.933) 19.161,35.848 19.133,35.79 ccw(c21.648,35.438) 19.119,35.675 ccw(c21.648,35.438) 19.108,35.438 19.108,30.262 ccw(c21.648,30.262) 19.852,28.466 21.104,27.215 cw(c19.308,25.419) 21.341,26.941 cw(c19.308,25.419) 21.406,26.85 21.522,26.473 ccw(c21.705,26.529) 21.705,26.338 21.965,26.338 cw(c21.965,26.147) 21.965,25.956 21.701,25.956 ccw(c21.701,25.765) 21.701,25.574 22.252,25.574 cw(c22.252,25.383) 22.252,25.192 21.705,25.192 ccw(c21.705,25.001) 21.705,24.81 22.295,24.81 cw(c22.295,24.619) 22.295,24.428 21.705,24.428 ccw(c21.705,24.237) 21.705,24.046 22.295,24.046 cw(c22.295,23.855) 22.295,23.664 22.039,23.664 ccw(c22.039,23.473) 21.848,23.473 21.848,23 v1(21.848,22.478)
ULPI_D0: R70.2 R99.2 | length 57.5
  Top Layer w0.182: R99.2@16.254,43.286 v1(16.254,44.036) ; R70.2@23.688,21.728 v1(23.688,22.478)
  Bottom Layer w0.182: v1(16.254,44.036) 16.254,44.917 cw(c16.936,44.917) 16.936,45.6 17.002,45.6 17.093,45.6 ccw(c17.093,45.791) 17.284,45.791 17.284,47.225 cw(c17.475,47.225) 17.666,47.225 17.666,45.591 ccw(c17.857,45.591) 18.048,45.591 18.048,47.409 cw(c18.239,47.409) 18.43,47.409 18.43,45.591 ccw(c18.621,45.591) 18.812,45.591 18.812,47.409 cw(c19.003,47.409) 19.194,47.409 19.194,45.791 ccw(c19.385,45.791) 19.385,45.6 19.664,45.6 19.709,45.6 cw(c19.664,42.364) 19.8,45.597 cw(c19.664,42.364) 22.9,42.364 22.9,38.607 ccw(c24.607,38.607) 23.4,37.4 cw(c22.706,36.706) 23.688,36.706 23.688,29.972 23.688,29.43 cw(c23.497,29.43) 23.497,29.239 23.032,29.239 ccw(c23.032,29.048) 23.032,28.857 24.168,28.857 cw(c24.168,28.666) 24.168,28.475 22.446,28.475 ccw(c22.446,28.284) 22.446,28.093 24.741,28.093 cw(c24.741,27.902) 24.741,27.711 22.446,27.711 ccw(c22.446,27.52) 22.446,27.329 24.168,27.329 cw(c24.168,27.138) 24.168,26.947 22.878,26.947 ccw(c22.878,26.756) 22.878,26.565 24.269,26.565 cw(c24.269,26.374) 24.269,26.183 23.879,26.183 ccw(c23.879,25.992) 23.688,25.992 23.688,25.519 v1(23.688,22.478)
ULPI_D1: R68.1 R98.2 | length 57.3
  Top Layer w0.182: R98.2@15.334,43.286 v1(15.334,44.036) ; R68.1@19.088,21.728 v1(19.088,22.478)
  Bottom Layer w0.182: v1(15.334,44.036) cw(c15.285,43.987) 15.354,43.987 15.354,43.841 15.354,43.529 ccw(c15.545,43.529) 15.545,43.338 17.163,43.338 cw(c17.163,43.147) 17.163,42.956 15.223,42.956 ccw(c15.223,42.765) 15.223,42.574 16.885,42.574 cw(c16.885,42.383) 16.885,42.192 15.223,42.192 ccw(c15.223,42.001) 15.223,41.81 16.885,41.81 cw(c16.885,41.619) 16.885,41.428 15.223,41.428 ccw(c15.223,41.237) 15.223,41.046 15.977,41.046 cw(c15.977,40.855) 15.977,40.664 15.545,40.664 ccw(c15.545,40.473) 15.354,40.473 15.354,40 15.354,38.832 ccw(c15.682,38.832) 15.45,38.6 cw(c15.209,38.359) 15.55,38.359 15.55,37.225 ccw(c17.421,37.225) 16.098,35.902 16.1,35.9 cw(c15.446,35.246) 16.371,35.246 16.371,34.318 cw(c16.186,34.269) 16.186,34.078 15.223,34.078 ccw(c15.223,33.887) 15.223,33.696 16.384,33.696 cw(c16.384,33.505) 16.384,33.314 15.223,33.314 ccw(c15.223,33.123) 15.223,32.932 16.384,32.932 cw(c16.384,32.741) 16.384,32.55 15.223,32.55 ccw(c15.223,32.359) 15.223,32.168 16.384,32.168 cw(c16.384,31.977) 16.384,31.786 15.223,31.786 ccw(c15.223,31.595) 15.223,31.404 16.259,31.404 cw(c16.259,31.213) 16.45,31.213 16.45,31.122 16.45,30.194 ccw(c18.99,30.194) 17.194,28.398 18.344,27.248 cw(c16.548,25.452) 18.347,27.245 cw(c16.548,25.452) 18.39,27.2 cw(c16.548,25.452) 18.473,27.109 18.623,26.705 ccw(c18.802,26.771) 18.802,26.58 19.103,26.58 cw(c19.103,26.389) 19.103,26.198 18.087,26.198 ccw(c18.087,26.007) 18.087,25.816 19.806,25.816 cw(c19.806,25.625) 19.806,25.434 18.662,25.434 ccw(c18.662,25.243) 18.662,25.052 19.168,25.052 cw(c19.168,24.861) 19.168,24.67 18.832,24.67 ccw(c18.832,24.479) 18.832,24.288 19.247,24.288 cw(c19.247,24.097) 19.247,23.906 18.087,23.906 ccw(c18.087,23.715) 18.087,23.524 18.897,23.524 cw(c18.897,23.333) 19.088,23.333 v1(19.088,22.478)
ULPI_D2: R69.1 R97.2 | length 56.3
  Top Layer w0.182: R97.2@14.414,43.286 v1(14.414,44.036) ; R69.1@20.008,21.728 v1(20.008,22.478)
  Bottom Layer w0.182: v1(14.414,44.036) cw(c13.602,43.224) 14.75,43.224 14.75,27.776 14.75,27.228 ccw(c14.941,27.228) 15.076,27.093 15.345,27.361 cw(c15.48,27.226) 15.615,27.361 cw(c15.48,27.226) 15.615,27.091 14.685,26.162 ccw(c14.82,26.027) 14.685,25.891 ccw(c14.82,26.027) 14.955,25.891 16.157,27.093 cw(c16.292,26.958) 16.427,27.093 cw(c16.292,26.958) 16.427,26.823 14.685,25.081 ccw(c14.82,24.946) 14.685,24.811 ccw(c14.82,24.946) 14.955,24.811 15.892,25.748 cw(c16.027,25.613) 16.162,25.748 cw(c16.027,25.613) 16.162,25.478 14.893,24.209 ccw(c15.028,24.074) 14.893,23.938 ccw(c15.028,24.074) 15.163,23.938 17.229,26.005 cw(c17.364,25.87) 17.499,26.005 cw(c17.364,25.87) 17.499,25.735 15.085,23.32 ccw(c15.22,23.185) 15.085,23.05 ccw(c15.22,23.185) 15.355,23.05 17.739,25.433 cw(c17.874,25.298) 18.009,25.433 cw(c17.874,25.298) 18.009,25.163 15.624,22.779 ccw(c15.759,22.643) 15.624,22.508 ccw(c15.759,22.644) 15.894,22.508 17.209,23.824 cw(c17.344,23.688) 17.479,23.824 cw(c17.344,23.688) 17.479,23.553 16.165,22.239 ccw(c16.3,22.104) 16.165,21.969 ccw(c16.3,22.104) 16.435,21.969 16.773,22.307 cw(c16.908,22.172) 17.043,22.307 17.107,22.243 17.212,22.137 ccw(c18.51,23.435) 18.51,21.6 19.129,21.6 ccw(c19.129,22.478) 20.005,22.415 ccw(c19.129,22.478) v1(20.008,22.478)